# Altium PCB 键盘.PcbDoc (part 7 of 10)
Units mm, origin at the board's own origin, x right, y up, seen from the top; angles counter-clockwise.
Board outline 100 x 100 mm, 2 copper layers (Top Layer, Bottom Layer); 85 components, 82 nets, 333 pads, 92 vias.
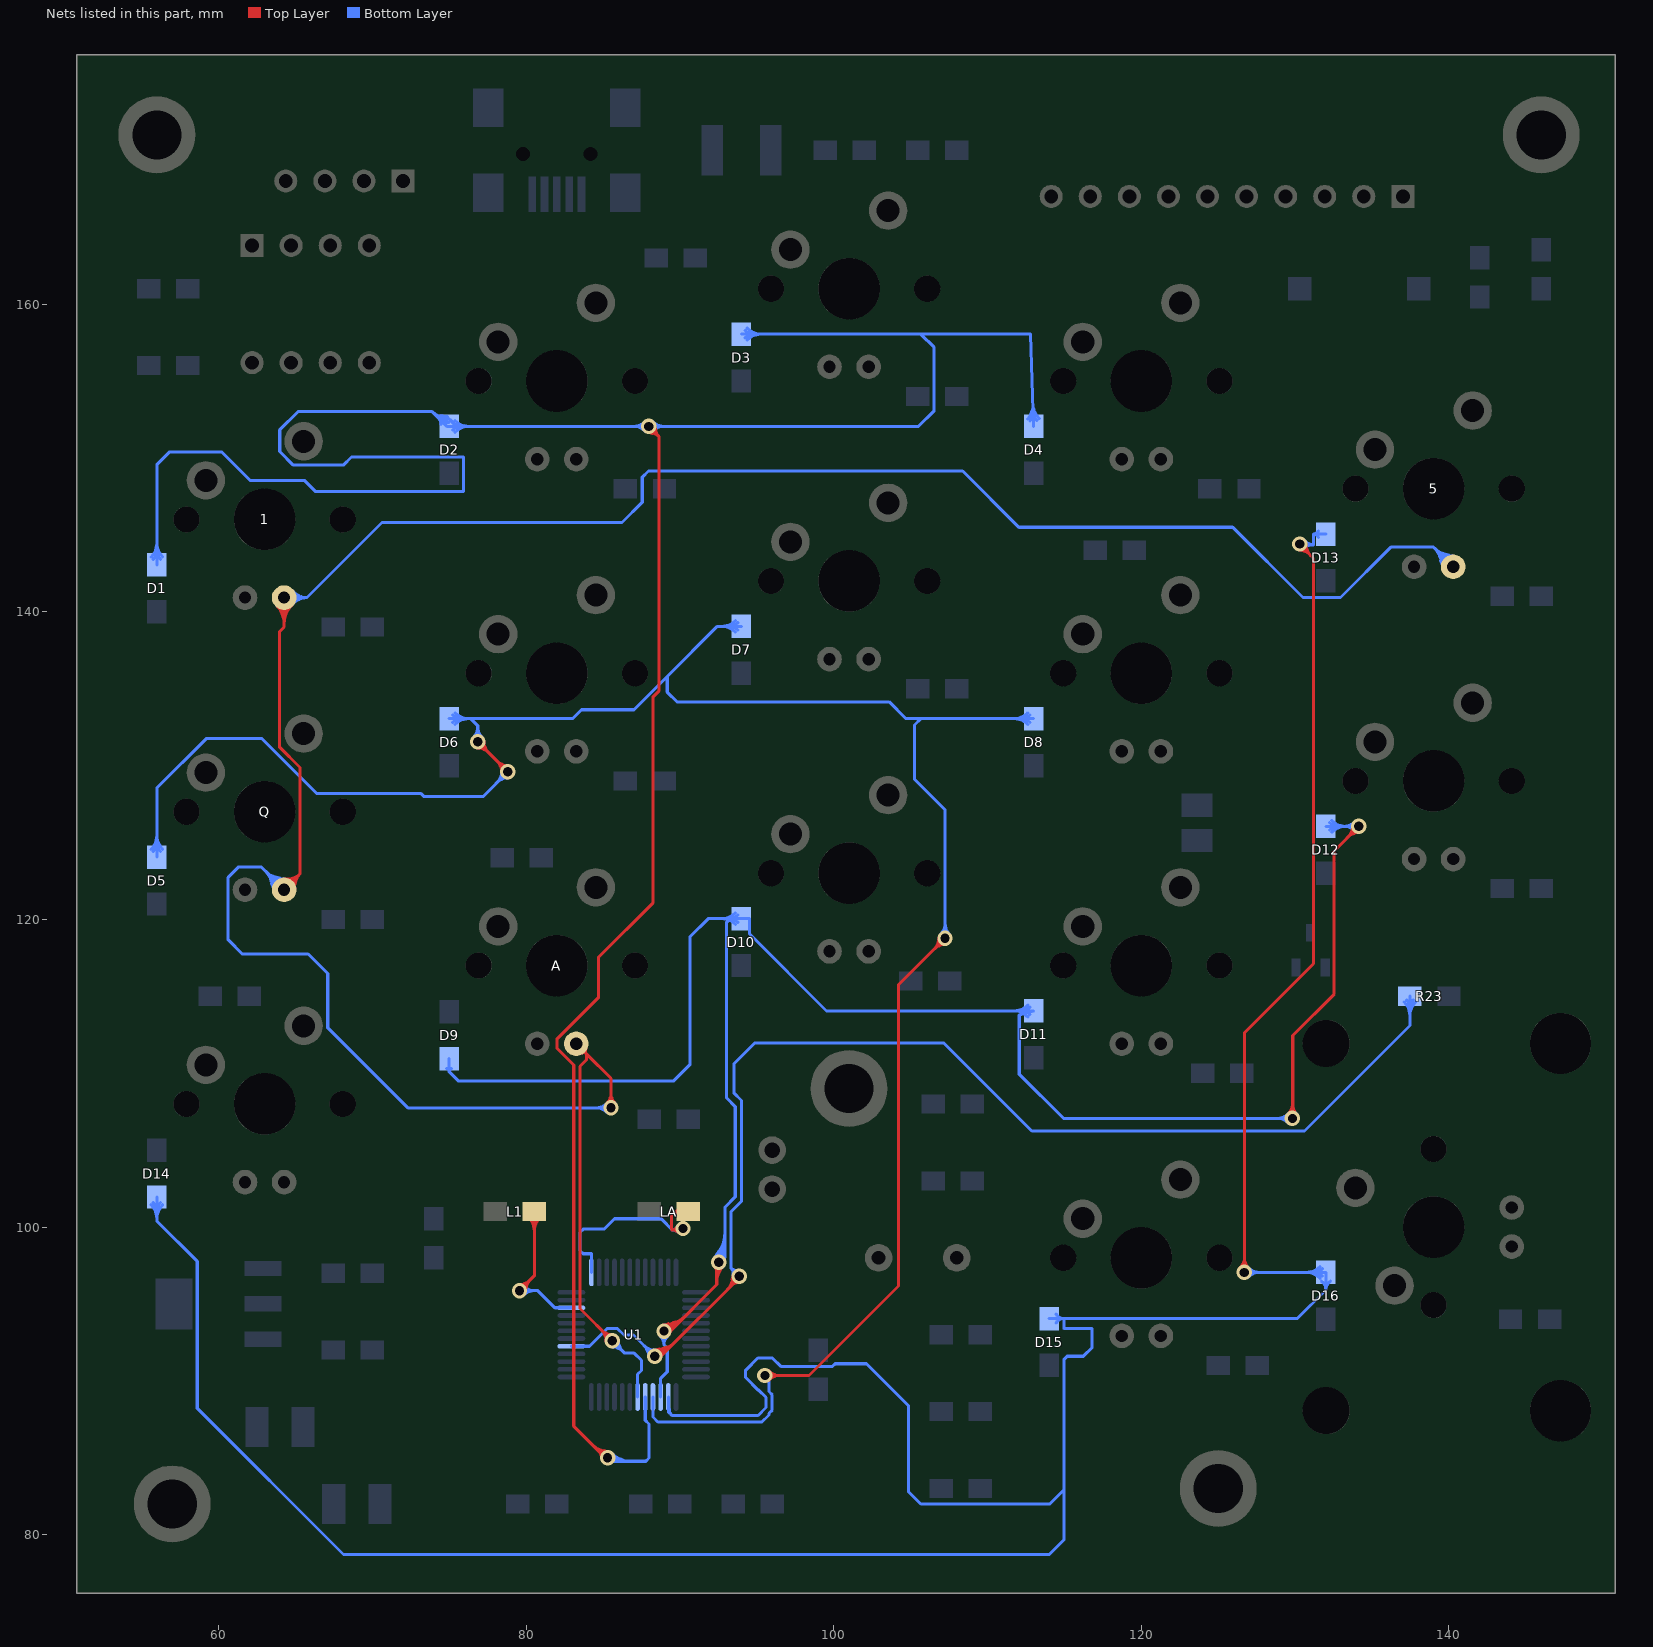
[diagram p7: the nets of this part, all layers, seen from the top]

## Via types
v1: diameter 1, hole 0.6, Top Layer to Bottom Layer, 92 vias

## Nets (pads, with @x,y where several pads share a name; then routed paths per layer and width w, separated by ;. In a path a pad name is that pad's centre, name@x,y a point inside that pad or via, vN(x,y) a via of type N, cw(c..) or ccw(c..) an arc to the next point about the centre after c; other vN are vias at no path point) (continued)
PA4: D13.1 D14.1 D15.1 D16.1 U1.14 | length 265.8
  Top Layer w0.2: v1(126.695,97.048) 126.708,97.061 126.708,112.636 131.191,117.119 131.191,143.459 130.3,144.35 v1(130.3,144.4) ; v1@126.412,97.331 ccw(c125.699,98.044) 126.708,98.044 ; v1@126.412,97.331 ccw(c125.699,98.044) 126.708,98.044 ; v1@126.412,97.331 ccw(c125.699,98.044) 126.708,98.044 ; v1@126.554,97.189 ccw(c126.182,97.561) 126.708,97.561 ; v1@126.554,97.189 ccw(c126.182,97.561) 126.708,97.561 ; v1@126.554,97.189 ccw(c126.182,97.561) 126.708,97.561 ; 126.708,97.983 ccw(c127.63,97.983) v1@126.978,97.331 ; 126.708,97.983 ccw(c127.63,97.983) v1@126.978,97.331 ; 126.708,97.983 ccw(c127.63,97.983) v1@126.978,97.331 ; v1@130.3,144 cw(c130.3,143.155) 130.898,143.752 ; v1@130.3,144 cw(c130.3,143.155) 130.898,143.752 ; v1@130.3,144 cw(c130.3,143.155) 130.898,143.752 ; v1(130.3,144.4) cw(c130.119,143.672) 130.843,143.867 ; v1(130.3,144.4) cw(c130.119,143.672) 130.843,143.867 ; v1(130.3,144.4) ccw(c130.943,144.502) 130.774,143.873 ; v1(130.3,144.4) ccw(c130.943,144.502) 130.774,143.873 ; v1(130.3,144.4) cw(c130.119,143.672) 130.843,143.867 ; v1(130.3,144.4) ccw(c130.943,144.502) 130.774,143.873 ; v1@130.5,144.4 ccw(c131.103,144.4) 130.677,143.974 ; v1@130.5,144.4 ccw(c131.103,144.4) 130.677,143.974 ; v1@130.5,144.4 ccw(c131.103,144.4) 130.677,143.974 ; v1@130.7,144.4 ccw(c131.786,144.4) 131.018,143.632 ; v1@130.7,144.4 ccw(c131.786,144.4) 131.018,143.632 ; v1@130.7,144.4 ccw(c131.786,144.4) 131.018,143.632
  Bottom Layer w0.2: D14.1@56,101.952 56,100.388 58.623,97.765 58.623,88.219 68.128,78.715 114.021,78.715 114.96,79.654 114.96,82.906 ; U1.14@89.25,88.95 89.25,87.986 89.486,87.75 ; D15.1@114,94.048 114.96,94.048 ; v1(126.695,97.048) D16.1@132,97.048 132,95.91 ; v1(130.3,144.4) 130.3,144.35 131.191,144.35 ; D13.1@132,145.048 131.191,145.048 ; D14.1@55.622,101.447 cw(c54.708,100.533) 56,100.533 ; D14.1@55.622,101.447 cw(c54.708,100.533) 56,100.533 ; D14.1@55.622,101.447 cw(c54.708,100.533) 56,100.533 ; D14.1@55.763,101.588 cw(c55.191,101.016) 56,101.016 ; D14.1@55.763,101.588 cw(c55.191,101.016) 56,101.016 ; D14.1@55.763,101.588 cw(c55.191,101.016) 56,101.016 ; 56,100.533 cw(c57.292,100.533) D14.1@56.378,101.447 ; 56,100.533 cw(c57.292,100.533) D14.1@56.378,101.447 ; 56,100.533 cw(c57.292,100.533) D14.1@56.378,101.447 ; 56,101.016 cw(c56.809,101.016) D14.1@56.237,101.588 ; 56,101.016 cw(c56.809,101.016) D14.1@56.237,101.588 ; 56,101.016 cw(c56.809,101.016) D14.1@56.237,101.588 ; U1.14@89.3,88.2 ccw(c89.934,88.198) 89.486,87.75 ; U1.14@89.3,88.2 ccw(c89.934,88.198) 89.486,87.75 ; U1.14@89.3,88.2 ccw(c89.934,88.198) 89.486,87.75 ; 89.486,87.75 95.086,87.75 95.6,88.264 95.6,88.927 95.131,89.395 95.098,89.395 94.278,90.215 94.278,90.698 95.07,91.49 96.01,91.49 96.562,90.938 99.924,90.938 100.095,91.11 102.133,91.11 104.851,88.392 104.851,82.804 105.664,81.991 114.046,81.991 114.96,82.906 ; D15.1@114.455,93.766 cw(c114.96,93.454) 114.96,94.048 ; D15.1@114.455,93.766 cw(c114.96,93.454) 114.96,94.048 ; D15.1@114.455,93.766 cw(c114.96,93.454) 114.96,94.048 ; D15.1@114.455,94.33 ccw(c114.96,94.642) 114.96,94.048 ; D15.1@114.455,94.33 ccw(c114.96,94.642) 114.96,94.048 ; D15.1@114.455,94.33 ccw(c114.96,94.642) 114.96,94.048 ; 114.96,82.906 114.96,91.375 115.185,91.6 116.231,91.6 116.8,92.169 116.8,93.4 114.985,93.4 114.96,93.425 114.96,94.048 ; 114.96,94.048 130.138,94.048 132,95.91 ; v1@126.978,96.765 cw(c127.661,96.082) 127.661,97.048 ; v1@126.978,96.765 cw(c127.661,96.082) 127.661,97.048 ; v1@126.978,96.765 cw(c127.661,96.082) 127.661,97.048 ; v1@126.978,97.331 ccw(c127.661,98.014) 127.661,97.048 ; v1@126.978,97.331 ccw(c127.661,98.014) 127.661,97.048 ; v1@126.978,97.331 ccw(c127.661,98.014) 127.661,97.048 ; v1@130.583,144.117 cw(c131.145,143.555) 131.145,144.35 ; v1@130.583,144.117 cw(c131.145,143.555) 131.145,144.35 ; v1@130.583,144.117 cw(c131.145,143.555) 131.145,144.35 ; v1@130.622,144.638 ccw(c131.191,145.057) 131.191,144.35 ; v1@130.622,144.638 ccw(c131.191,145.057) 131.191,144.35 ; v1@130.622,144.638 ccw(c131.191,145.057) 131.191,144.35 ; 130.708,97.048 cw(c130.708,95.756) D16.1@131.622,96.67 ; 130.708,97.048 ccw(c130.708,98.34) D16.1@131.622,97.426 ; 130.708,97.048 cw(c130.708,95.756) D16.1@131.622,96.67 ; 130.708,97.048 ccw(c130.708,98.34) D16.1@131.622,97.426 ; 130.708,97.048 cw(c130.708,95.756) D16.1@131.622,96.67 ; 130.708,97.048 ccw(c130.708,98.34) D16.1@131.622,97.426 ; 131.191,97.048 cw(c131.191,96.239) D16.1@131.763,96.811 ; 131.191,97.048 ccw(c131.191,97.857) D16.1@131.763,97.285 ; 131.191,97.048 cw(c131.191,96.239) D16.1@131.763,96.811 ; 131.191,97.048 ccw(c131.191,97.857) D16.1@131.763,97.285 ; 131.191,97.048 cw(c131.191,96.239) D16.1@131.763,96.811 ; 131.191,97.048 ccw(c131.191,97.857) D16.1@131.763,97.285 ; 131.191,144.35 131.191,145.048 ; 131.191,145.048 cw(c131.191,144.704) D13.1@131.508,144.839 ; 131.191,145.048 ccw(c131.191,145.392) D13.1@131.508,145.257 ; 131.191,145.048 cw(c131.191,144.704) D13.1@131.508,144.839 ; 131.191,145.048 ccw(c131.191,145.392) D13.1@131.508,145.257 ; 131.191,145.048 cw(c131.191,144.704) D13.1@131.508,144.839 ; 131.191,145.048 ccw(c131.191,145.392) D13.1@131.508,145.257 ; D16.1@131.699,96.479 cw(c131.313,95.91) 132,95.91 ; D16.1@131.699,96.479 cw(c131.313,95.91) 132,95.91 ; D16.1@131.699,96.479 cw(c131.313,95.91) 132,95.91 ; 132,95.91 cw(c132.687,95.91) D16.1@132.301,96.479 ; 132,95.91 cw(c132.687,95.91) D16.1@132.301,96.479 ; 132,95.91 cw(c132.687,95.91) D16.1@132.301,96.479
PA5: D9.1 D10.1 D11.1 D12.1 U1.15 | length 251.4
  Top Layer w0.2: v1@89.093,93.612 ccw(c89.179,93.867) 89.378,93.685 ccw(c89.577,93.504) v1@89.331,93.395 ; v1(92.526,97.714) 92.4,97.588 92.4,96.261 89.372,93.232 v1(88.965,93.233) ; v1(129.819,107.061) 129.845,107.086 129.845,112.446 132.537,115.138 132.537,124.448 v1(134.137,126.048) ; v1@88.788,93.324 cw(c89.472,92.97) 89.273,93.715 ; v1@88.788,93.324 cw(c89.472,92.97) 89.273,93.715 ; v1@88.788,93.324 cw(c89.472,92.97) 89.273,93.715 ; v1(88.965,93.233) ccw(c88.965,94.214) 89.659,93.52 ; v1(88.965,93.233) cw(c90.017,92.689) 89.71,93.832 ; v1(88.965,93.233) cw(c90.017,92.689) 89.71,93.832 ; v1(88.965,93.233) ccw(c88.965,94.214) 89.659,93.52 ; v1(88.965,93.233) cw(c90.017,92.689) 89.71,93.832 ; v1(88.965,93.233) ccw(c88.965,94.214) 89.659,93.52 ; v1@88.965,93.433 ccw(c88.965,94.897) 90.001,93.861 ; v1@88.965,93.433 ccw(c88.965,94.897) 90.001,93.861 ; v1@88.965,93.433 ccw(c88.965,94.897) 90.001,93.861 ; v1@88.965,93.633 ccw(c88.965,95.58) 90.342,94.203 ; v1@88.965,93.633 ccw(c88.965,95.58) 90.342,94.203 ; v1@88.965,93.633 ccw(c88.965,95.58) 90.342,94.203 ; v1@89.153,93.163 cw(c89.836,92.912) 89.648,93.615 ; v1@89.153,93.163 cw(c89.836,92.912) 89.648,93.615 ; v1@89.153,93.163 cw(c89.836,92.912) 89.648,93.615 ; v1@89.165,93.579 ccw(c89.318,93.844) 89.397,93.548 ; v1@89.165,93.579 ccw(c89.318,93.844) 89.397,93.548 ; v1@89.165,93.579 ccw(c89.318,93.844) 89.397,93.548 ; v1@89.316,93.424 ccw(c89.424,93.482) 89.456,93.364 ; v1@89.316,93.424 ccw(c89.424,93.482) 89.456,93.364 ; v1@89.316,93.424 ccw(c89.424,93.482) 89.456,93.364 ; v1@89.365,93.243 cw(c89.488,93.246) 89.456,93.364 ; v1@89.365,93.243 cw(c89.488,93.246) 89.456,93.364 ; v1@89.365,93.243 cw(c89.488,93.246) 89.456,93.364 ; v1@92.243,97.431 cw(c91.865,97.053) 92.4,97.053 ; v1@92.243,97.431 cw(c91.865,97.053) 92.4,97.053 ; v1@92.243,97.431 cw(c91.865,97.053) 92.4,97.053 ; 92.4,96.443 cw(c93.796,96.443) v1@92.809,97.431 ; 92.4,96.443 cw(c93.796,96.443) v1@92.809,97.431 ; 92.4,96.443 cw(c93.796,96.443) v1@92.809,97.431 ; 92.4,96.926 cw(c93.314,96.926) v1@92.667,97.572 ; 92.4,96.926 cw(c93.314,96.926) v1@92.667,97.572 ; 92.4,96.926 cw(c93.314,96.926) v1@92.667,97.572 ; v1@129.537,107.344 ccw(c128.792,108.088) 129.845,108.088 ; v1@129.537,107.344 ccw(c128.792,108.088) 129.845,108.088 ; v1@129.537,107.344 ccw(c128.792,108.088) 129.845,108.088 ; v1@129.678,107.202 ccw(c129.275,107.605) 129.845,107.605 ; v1@129.678,107.202 ccw(c129.275,107.605) 129.845,107.605 ; v1@129.678,107.202 ccw(c129.275,107.605) 129.845,107.605 ; 129.845,107.965 ccw(c130.724,107.965) v1@130.102,107.344 ; 129.845,107.965 ccw(c130.724,107.965) v1@130.102,107.344 ; 129.845,107.965 ccw(c130.724,107.965) v1@130.102,107.344 ; 133.455,125.365 cw(c134.137,124.682) v1@134.137,125.648 ; 133.455,125.365 ccw(c132.772,126.048) v1@133.737,126.048 ; 133.455,125.365 cw(c134.137,124.682) v1@134.137,125.648 ; 133.455,125.365 ccw(c132.772,126.048) v1@133.737,126.048 ; 133.455,125.365 cw(c134.137,124.682) v1@134.137,125.648 ; 133.455,125.365 ccw(c132.772,126.048) v1@133.737,126.048 ; 133.602,125.544 cw(c134.278,125.363) v1(134.137,126.048) ; 133.602,125.544 cw(c134.278,125.363) v1(134.137,126.048) ; 133.602,125.544 cw(c134.278,125.363) v1(134.137,126.048) ; 133.633,125.513 ccw(c133.453,126.188) v1(134.137,126.048) ; 133.633,125.513 ccw(c133.453,126.188) v1(134.137,126.048) ; 133.633,125.513 ccw(c133.453,126.188) v1(134.137,126.048)
  Bottom Layer w0.2: D9.1@75,110.952 75,110.09 ; U1.15@88.75,88.95 88.75,90.16 89.181,90.591 89.181,92.124 88.965,92.34 ; v1(88.965,93.233) 88.965,92.34 ; v1(129.819,107.061) 114.935,107.061 112.065,109.931 112.065,113.792 D11.1@113,114.048 99.531,114.048 94.535,119.044 94.535,120.048 D10.1@94,120.048 93.269,120.048 ; D12.1@132,126.048 v1(134.137,126.048) ; D9.1@74.835,110.316 cw(c74.762,110.09) 75,110.09 ; D9.1@74.835,110.316 cw(c74.762,110.09) 75,110.09 ; D9.1@74.835,110.316 cw(c74.762,110.09) 75,110.09 ; 75,110.09 cw(c75.238,110.09) D9.1@75.165,110.316 ; 75,110.09 cw(c75.238,110.09) D9.1@75.165,110.316 ; 75,110.09 cw(c75.238,110.09) D9.1@75.165,110.316 ; 75,110.09 75.59,109.499 89.611,109.499 90.653,110.541 90.653,118.854 91.846,120.048 93.269,120.048 ; v1@88.699,92.934 cw(c88.17,92.34) 88.965,92.34 ; v1@88.699,92.934 cw(c88.17,92.34) 88.965,92.34 ; v1@88.699,92.934 cw(c88.17,92.34) 88.965,92.34 ; 88.965,92.34 cw(c89.761,92.34) v1@89.231,92.934 ; 88.965,92.34 cw(c89.761,92.34) v1@89.231,92.934 ; 88.965,92.34 cw(c89.761,92.34) v1@89.231,92.934 ; v1@92.243,97.997 ccw(c90.579,99.661) 92.932,99.661 ; v1@92.243,97.997 ccw(c90.579,99.661) 92.932,99.661 ; v1@92.243,97.997 ccw(c90.579,99.661) 92.932,99.661 ; v1@92.385,97.855 ccw(c91.062,99.178) 92.932,99.178 ; v1@92.385,97.855 ccw(c91.062,99.178) 92.932,99.178 ; v1@92.385,97.855 ccw(c91.062,99.178) 92.932,99.178 ; v1@92.422,98.1 ccw(c92.343,98.396) 92.608,98.243 ; v1@92.422,98.1 ccw(c92.343,98.396) 92.608,98.243 ; v1@92.422,98.1 ccw(c92.343,98.396) 92.608,98.243 ; 92.425,98.266 ccw(c92.757,98.041) v1(92.526,97.714) ; 92.425,98.266 ccw(c92.757,98.041) v1(92.526,97.714) ; 92.425,98.266 ccw(c92.757,98.041) v1(92.526,97.714) ; v1@92.514,98.114 ccw(c92.5,98.558) 92.885,98.336 ; v1@92.514,98.114 ccw(c92.5,98.558) 92.885,98.336 ; v1@92.514,98.114 ccw(c92.5,98.558) 92.885,98.336 ; v1(92.526,97.714) ccw(c91.545,98.695) 92.932,98.695 ; v1(92.526,97.714) ccw(c91.545,98.695) 92.932,98.695 ; v1(92.526,97.714) ccw(c91.545,98.695) 92.932,98.695 ; v1(92.526,97.714) 92.932,98.12 92.932,101.295 93.602,101.965 93.602,107.825 93.04,108.387 93.04,119.819 93.269,120.048 ; 92.54,98.435 ccw(c92.875,98.208) v1@92.641,97.877 ; 92.54,98.435 ccw(c92.875,98.208) v1@92.641,97.877 ; 92.54,98.435 ccw(c92.875,98.208) v1@92.641,97.877 ; 92.654,98.603 ccw(c92.992,98.374) v1@92.757,98.041 ; 92.654,98.603 ccw(c92.992,98.374) v1@92.757,98.041 ; 92.654,98.603 ccw(c92.992,98.374) v1@92.757,98.041 ; 92.66,98.332 ccw(c93.056,98.103) v1@92.687,97.832 ; 92.66,98.332 ccw(c93.056,98.103) v1@92.687,97.832 ; 92.66,98.332 ccw(c93.056,98.103) v1@92.687,97.832 ; v1@92.667,97.572 ccw(c92.028,98.212) 92.932,98.212 ; v1@92.667,97.572 ccw(c92.028,98.212) 92.932,98.212 ; v1@92.667,97.572 ccw(c92.028,98.212) 92.932,98.212 ; 92.708,120.048 cw(c92.708,118.756) D10.1@93.622,119.67 ; 92.708,120.048 ccw(c92.708,121.34) D10.1@93.622,120.426 ; 92.708,120.048 cw(c92.708,118.756) D10.1@93.622,119.67 ; 92.708,120.048 ccw(c92.708,121.34) D10.1@93.622,120.426 ; 92.708,120.048 cw(c92.708,118.756) D10.1@93.622,119.67 ; 92.708,120.048 ccw(c92.708,121.34) D10.1@93.622,120.426 ; 92.813,98.597 ccw(c93.326,98.301) v1@92.848,97.951 ; 92.813,98.597 ccw(c93.326,98.301) v1@92.848,97.951 ; 92.813,98.597 ccw(c93.326,98.301) v1@92.848,97.951 ; v1@92.878,97.903 cw(c93.27,98.113) 92.885,98.336 ; v1@92.878,97.903 cw(c93.27,98.113) 92.885,98.336 ; v1@92.878,97.903 cw(c93.27,98.113) 92.885,98.336 ; 93.191,120.048 cw(c93.191,119.239) D10.1@93.763,119.811 ; 93.191,120.048 ccw(c93.191,120.857) D10.1@93.763,120.285 ; 93.191,120.048 cw(c93.191,119.239) D10.1@93.763,119.811 ; 93.191,120.048 ccw(c93.191,120.857) D10.1@93.763,120.285 ; 93.191,120.048 cw(c93.191,119.239) D10.1@93.763,119.811 ; 93.191,120.048 ccw(c93.191,120.857) D10.1@93.763,120.285 ; 93.269,120.048 cw(c93.269,119.816) D10.1@93.49,119.886 ; 93.269,120.048 ccw(c93.269,120.28) D10.1@93.49,120.21 ; 93.269,120.048 cw(c93.269,119.816) D10.1@93.49,119.886 ; 93.269,120.048 ccw(c93.269,120.28) D10.1@93.49,120.21 ; 93.269,120.048 cw(c93.269,119.816) D10.1@93.49,119.886 ; 93.269,120.048 ccw(c93.269,120.28) D10.1@93.49,120.21 ; 93.269,120.048 cw(c93.269,119.816) D10.1@93.49,119.886 ; 93.269,120.048 ccw(c93.269,120.28) D10.1@93.49,120.21 ; 93.269,120.048 cw(c93.269,119.816) D10.1@93.49,119.886 ; 93.269,120.048 ccw(c93.269,120.28) D10.1@93.49,120.21 ; 93.269,120.048 cw(c93.269,119.816) D10.1@93.49,119.886 ; 93.269,120.048 ccw(c93.269,120.28) D10.1@93.49,120.21 ; 111.708,114.048 cw(c111.708,112.756) D11.1@112.622,113.67 ; 111.708,114.048 ccw(c111.708,115.34) D11.1@112.622,114.426 ; 111.708,114.048 cw(c111.708,112.756) D11.1@112.622,113.67 ; 111.708,114.048 ccw(c111.708,115.34) D11.1@112.622,114.426 ; 111.708,114.048 cw(c111.708,112.756) D11.1@112.622,113.67 ; 111.708,114.048 ccw(c111.708,115.34) D11.1@112.622,114.426 ; 112.191,114.048 cw(c112.191,113.239) D11.1@112.763,113.811 ; 112.191,114.048 ccw(c112.191,114.857) D11.1@112.763,114.285 ; 112.191,114.048 cw(c112.191,113.239) D11.1@112.763,113.811 ; 112.191,114.048 ccw(c112.191,114.857) D11.1@112.763,114.285 ; 112.191,114.048 cw(c112.191,113.239) D11.1@112.763,113.811 ; 112.191,114.048 ccw(c112.191,114.857) D11.1@112.763,114.285 ; 112.264,113.847 cw(c112.317,113.656) D11.1@112.501,113.727 ; 112.264,113.847 ccw(c112.181,114.151) D11.1@112.485,114.066 ; 112.264,113.847 cw(c112.317,113.656) D11.1@112.501,113.727 ; 112.264,113.847 ccw(c112.181,114.151) D11.1@112.485,114.066 ; 112.264,113.847 cw(c112.317,113.656) D11.1@112.501,113.727 ; 112.264,113.847 ccw(c112.181,114.151) D11.1@112.485,114.066 ; 128.854,107.061 cw(c128.854,106.095) v1@129.537,106.778 ; 128.854,107.061 ccw(c128.854,108.027) v1@129.537,107.344 ; 128.854,107.061 cw(c128.854,106.095) v1@129.537,106.778 ; 128.854,107.061 ccw(c128.854,108.027) v1@129.537,107.344 ; 128.854,107.061 cw(c128.854,106.095) v1@129.537,106.778 ; 128.854,107.061 ccw(c128.854,108.027) v1@129.537,107.344 ; D12.1@132.237,125.811 cw(c132.809,125.239) 132.809,126.048 ; D12.1@132.237,125.811 cw(c132.809,125.239) 132.809,126.048 ; D12.1@132.237,125.811 cw(c132.809,125.239) 132.809,126.048 ; D12.1@132.237,126.285 ccw(c132.809,126.857) 132.809,126.048 ; D12.1@132.237,126.285 ccw(c132.809,126.857) 132.809,126.048 ; D12.1@132.237,126.285 ccw(c132.809,126.857) 132.809,126.048 ; D12.1@132.378,125.67 cw(c133.292,124.756) 133.292,126.048 ; D12.1@132.378,125.67 cw(c133.292,124.756) 133.292,126.048 ; D12.1@132.378,125.67 cw(c133.292,124.756) 133.292,126.048 ; D12.1@132.378,126.426 ccw(c133.292,127.34) 133.292,126.048 ; D12.1@132.378,126.426 ccw(c133.292,127.34) 133.292,126.048 ; D12.1@132.378,126.426 ccw(c133.292,127.34) 133.292,126.048 ; 133.172,126.048 cw(c133.172,125.082) v1@133.855,125.765 ; 133.172,126.048 ccw(c133.172,127.014) v1@133.855,126.331 ; 133.172,126.048 cw(c133.172,125.082) v1@133.855,125.765 ; 133.172,126.048 ccw(c133.172,127.014) v1@133.855,126.331 ; 133.172,126.048 cw(c133.172,125.082) v1@133.855,125.765 ; 133.172,126.048 ccw(c133.172,127.014) v1@133.855,126.331
PA6: D5.1 D6.1 D7.1 D8.1 U1.16 | length 234.6
  Top Layer w0.2: v1(95.529,90.348) 98.4,90.348 104.216,96.164 104.216,115.748 v1(107.239,118.77) ; v1@76.86,131.147 cw(c76.86,130.181) 77.543,130.864 ; v1@76.86,131.147 cw(c76.86,130.181) 77.543,130.864 ; v1@76.86,131.147 cw(c76.86,130.181) 77.543,130.864 ; v1(76.86,131.547) cw(c76.72,130.862) 77.395,131.043 ; v1(76.86,131.547) ccw(c77.545,131.687) 77.364,131.012 ; v1(76.86,131.547) cw(c76.72,130.862) 77.395,131.043 ; v1(76.86,131.547) ccw(c77.545,131.687) 77.364,131.012 ; v1(76.86,131.547) cw(c76.72,130.862) 77.395,131.043 ; v1(76.86,131.547) ccw(c77.545,131.687) 77.364,131.012 ; v1(76.86,131.547) v1(78.814,129.593) ; v1@77.26,131.547 ccw(c78.226,131.547) 77.543,130.864 ; v1@77.26,131.547 ccw(c78.226,131.547) 77.543,130.864 ; v1@77.26,131.547 ccw(c78.226,131.547) 77.543,130.864 ; 78.131,130.276 cw(c77.448,129.593) v1@78.414,129.593 ; 78.131,130.276 ccw(c78.814,130.959) v1@78.814,129.993 ; 78.131,130.276 cw(c77.448,129.593) v1@78.414,129.593 ; 78.131,130.276 ccw(c78.814,130.959) v1@78.814,129.993 ; 78.131,130.276 cw(c77.448,129.593) v1@78.414,129.593 ; 78.131,130.276 ccw(c78.814,130.959) v1@78.814,129.993 ; 78.279,130.097 ccw(c78.954,130.278) v1(78.814,129.593) ; 78.279,130.097 ccw(c78.954,130.278) v1(78.814,129.593) ; 78.279,130.097 ccw(c78.954,130.278) v1(78.814,129.593) ; 78.31,130.128 cw(c78.129,129.453) v1(78.814,129.593) ; 78.31,130.128 cw(c78.129,129.453) v1(78.814,129.593) ; 78.31,130.128 cw(c78.129,129.453) v1(78.814,129.593) ; v1@95.812,90.065 cw(c96.495,89.382) 96.495,90.348 ; v1@95.812,90.065 cw(c96.495,89.382) 96.495,90.348 ; v1@95.812,90.065 cw(c96.495,89.382) 96.495,90.348 ; v1@95.812,90.631 ccw(c96.495,91.313) 96.495,90.348 ; v1@95.812,90.631 ccw(c96.495,91.313) 96.495,90.348 ; v1@95.812,90.631 ccw(c96.495,91.313) 96.495,90.348 ; 106.556,118.088 cw(c107.239,117.405) v1@107.239,118.37 ; 106.556,118.088 ccw(c105.873,118.77) v1@106.839,118.77 ; 106.556,118.088 cw(c107.239,117.405) v1@107.239,118.37 ; 106.556,118.088 ccw(c105.873,118.77) v1@106.839,118.77 ; 106.556,118.088 cw(c107.239,117.405) v1@107.239,118.37 ; 106.556,118.088 ccw(c105.873,118.77) v1@106.839,118.77 ; 106.704,118.266 cw(c107.379,118.086) v1(107.239,118.77) ; 106.704,118.266 cw(c107.379,118.086) v1(107.239,118.77) ; 106.704,118.266 cw(c107.379,118.086) v1(107.239,118.77) ; 106.735,118.235 ccw(c106.554,118.911) v1(107.239,118.77) ; 106.735,118.235 ccw(c106.554,118.911) v1(107.239,118.77) ; 106.735,118.235 ccw(c106.554,118.911) v1(107.239,118.77)
  Bottom Layer w0.2: D5.1@56,124.048 56,128.542 59.207,131.75 62.832,131.75 66.407,128.175 73.178,128.175 73.374,127.978 77.199,127.978 v1(78.814,129.593) ; D6.1@75,133.048 76.403,133.048 ; v1(76.86,131.547) 76.86,132.591 76.403,133.048 ; U1.16@88.25,88.95 88.25,87.645 88.57,87.325 95.332,87.325 95.79,87.782 95.79,87.888 96,88.098 96,89.092 95.79,89.303 95.79,90.088 v1(95.529,90.348) ; D7.1@94,139.048 92.439,139.048 89.179,135.788 ; v1(107.239,118.77) 107.239,127.127 105.258,129.108 105.258,132.642 105.664,133.048 ; D8.1@113,133.048 105.664,133.048 ; D5.1@55.622,124.553 ccw(c54.708,125.467) 56,125.467 ; D5.1@55.622,124.553 ccw(c54.708,125.467) 56,125.467 ; D5.1@55.622,124.553 ccw(c54.708,125.467) 56,125.467 ; D5.1@55.763,124.412 ccw(c55.191,124.984) 56,124.984 ; D5.1@55.763,124.412 ccw(c55.191,124.984) 56,124.984 ; D5.1@55.763,124.412 ccw(c55.191,124.984) 56,124.984 ; 56,124.984 ccw(c56.809,124.984) D5.1@56.237,124.412 ; 56,124.984 ccw(c56.809,124.984) D5.1@56.237,124.412 ; 56,124.984 ccw(c56.809,124.984) D5.1@56.237,124.412 ; 56,125.467 ccw(c57.292,125.467) D5.1@56.378,124.553 ; 56,125.467 ccw(c57.292,125.467) D5.1@56.378,124.553 ; 56,125.467 ccw(c57.292,125.467) D5.1@56.378,124.553 ; D6.1@75.237,132.811 cw(c75.809,132.239) 75.809,133.048 ; D6.1@75.237,132.811 cw(c75.809,132.239) 75.809,133.048 ; D6.1@75.237,132.811 cw(c75.809,132.239) 75.809,133.048 ; D6.1@75.237,133.285 ccw(c75.809,133.857) 75.809,133.048 ; D6.1@75.237,133.285 ccw(c75.809,133.857) 75.809,133.048 ; D6.1@75.237,133.285 ccw(c75.809,133.857) 75.809,133.048 ; D6.1@75.378,132.67 cw(c76.292,131.756) 76.292,133.048 ; D6.1@75.378,132.67 cw(c76.292,131.756) 76.292,133.048 ; D6.1@75.378,132.67 cw(c76.292,131.756) 76.292,133.048 ; D6.1@75.378,133.426 ccw(c76.292,134.34) 76.292,133.048 ; D6.1@75.378,133.426 ccw(c76.292,134.34) 76.292,133.048 ; D6.1@75.378,133.426 ccw(c76.292,134.34) 76.292,133.048 ; 76.403,133.048 83.019,133.048 83.6,133.629 87.02,133.629 89.179,135.788 ; v1@76.578,131.829 ccw(c75.895,132.512) 76.86,132.512 ; v1@76.578,131.829 ccw(c75.895,132.512) 76.86,132.512 ; v1@76.578,131.829 ccw(c75.895,132.512) 76.86,132.512 ; 76.86,132.512 ccw(c77.826,132.512) v1@77.143,131.829 ; 76.86,132.512 ccw(c77.826,132.512) v1@77.143,131.829 ; 76.86,132.512 ccw(c77.826,132.512) v1@77.143,131.829 ; 78.131,128.91 cw(c78.814,128.228) v1@78.814,129.193 ; 78.131,128.91 ccw(c77.448,129.593) v1@78.414,129.593 ; 78.131,128.91 cw(c78.814,128.228) v1@78.814,129.193 ; 78.131,128.91 ccw(c77.448,129.593) v1@78.414,129.593 ; 78.131,128.91 cw(c78.814,128.228) v1@78.814,129.193 ; 78.131,128.91 ccw(c77.448,129.593) v1@78.414,129.593 ; 78.279,129.089 cw(c78.954,128.908) v1(78.814,129.593) ; 78.279,129.089 cw(c78.954,128.908) v1(78.814,129.593) ; 78.279,129.089 cw(c78.954,128.908) v1(78.814,129.593) ; 78.31,129.058 ccw(c78.129,129.733) v1(78.814,129.593) ; 78.31,129.058 ccw(c78.129,129.733) v1(78.814,129.593) ; 78.31,129.058 ccw(c78.129,129.733) v1(78.814,129.593) ; 89.179,135.788 89.179,134.772 89.814,134.137 103.607,134.137 104.696,133.048 105.664,133.048 ; 92.708,139.048 cw(c92.708,137.756) D7.1@93.622,138.67 ; 92.708,139.048 ccw(c92.708,140.34) D7.1@93.622,139.426 ; 92.708,139.048 cw(c92.708,137.756) D7.1@93.622,138.67 ; 92.708,139.048 ccw(c92.708,140.34) D7.1@93.622,139.426 ; 92.708,139.048 cw(c92.708,137.756) D7.1@93.622,138.67 ; 92.708,139.048 ccw(c92.708,140.34) D7.1@93.622,139.426 ; 93.191,139.048 cw(c93.191,138.239) D7.1@93.763,138.811 ; 93.191,139.048 ccw(c93.191,139.857) D7.1@93.763,139.285 ; 93.191,139.048 cw(c93.191,138.239) D7.1@93.763,138.811 ; 93.191,139.048 ccw(c93.191,139.857) D7.1@93.763,139.285 ; 93.191,139.048 cw(c93.191,138.239) D7.1@93.763,138.811 ; 93.191,139.048 ccw(c93.191,139.857) D7.1@93.763,139.285 ; v1@106.956,119.053 ccw(c106.273,119.736) 107.239,119.736 ; v1@106.956,119.053 ccw(c106.273,119.736) 107.239,119.736 ; v1@106.956,119.053 ccw(c106.273,119.736) 107.239,119.736 ; 107.239,119.736 ccw(c108.204,119.736) v1@107.522,119.053 ; 107.239,119.736 ccw(c108.204,119.736) v1@107.522,119.053 ; 107.239,119.736 ccw(c108.204,119.736) v1@107.522,119.053 ; 111.708,133.048 cw(c111.708,131.756) D8.1@112.622,132.67 ; 111.708,133.048 ccw(c111.708,134.34) D8.1@112.622,133.426 ; 111.708,133.048 cw(c111.708,131.756) D8.1@112.622,132.67 ; 111.708,133.048 ccw(c111.708,134.34) D8.1@112.622,133.426 ; 111.708,133.048 cw(c111.708,131.756) D8.1@112.622,132.67 ; 111.708,133.048 ccw(c111.708,134.34) D8.1@112.622,133.426 ; 112.191,133.048 cw(c112.191,132.239) D8.1@112.763,132.811 ; 112.191,133.048 ccw(c112.191,133.857) D8.1@112.763,133.285 ; 112.191,133.048 cw(c112.191,132.239) D8.1@112.763,132.811 ; 112.191,133.048 ccw(c112.191,133.857) D8.1@112.763,133.285 ; 112.191,133.048 cw(c112.191,132.239) D8.1@112.763,132.811 ; 112.191,133.048 ccw(c112.191,133.857) D8.1@112.763,133.285